# Altium PCB NIXIEClock_PCB_V3.2.PcbDoc (part 1 of 3) (continued)
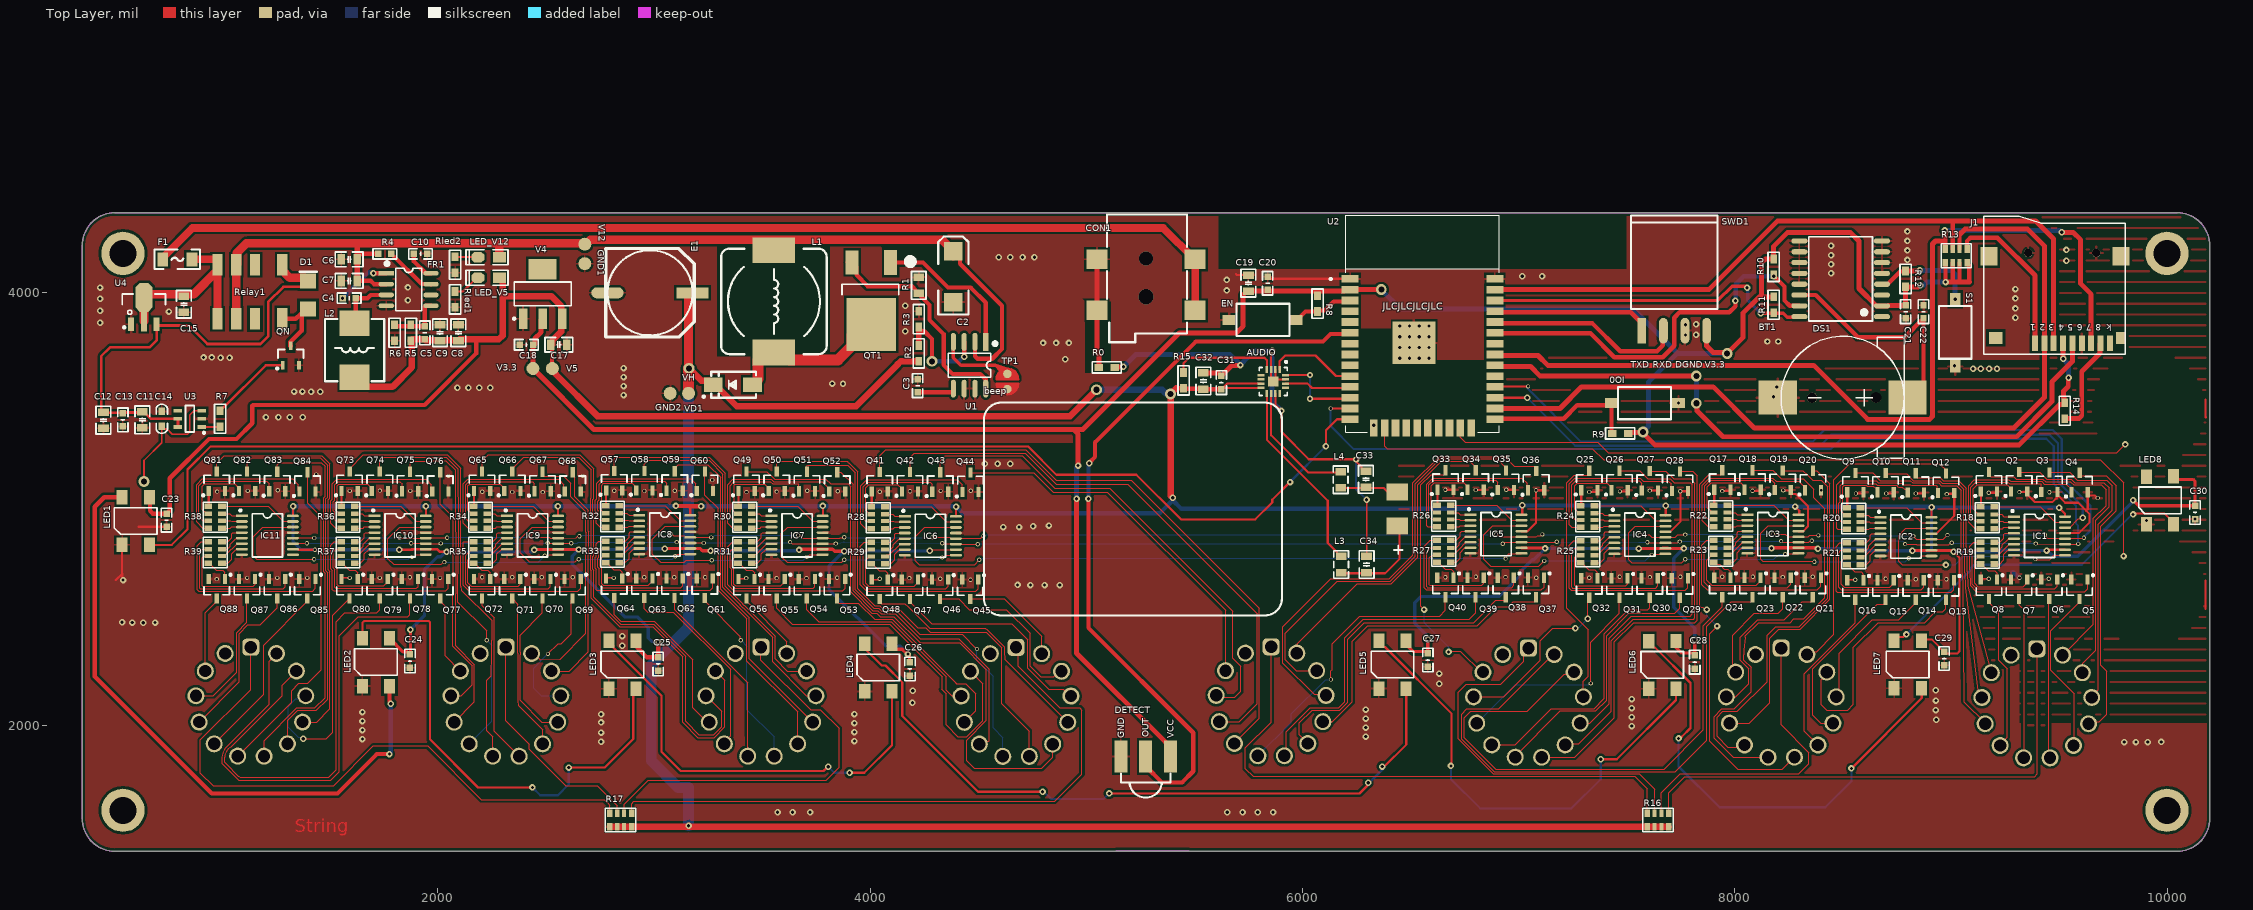
[diagram p0: Top Layer view]
## Footprints (in the part's own frame and the unit in brackets; to place one, negate y for a bottom-side part, rotate by r counter-clockwise, add the part's x,y. Pads: shape width x height; smd on the part's side, far side on the other; paste and mask are expansions set on the pad) (continued)
  rect 60x50 smd: 1(-50,0)
  oct 60x50 smd: 2(50,0)
  silkscreen extent -90,-35 105,35, body extent -39,-25 39,25, height 32
"LED 0805G" [mil] "绿色0805LED"
  rect 60x50 smd: 1(-50,0)
  oct 60x50 smd: 2(50,0)
  silkscreen extent -90,-35 105,35, body extent -39,-25 39,25, height 32
"Micro SD" [mm]
  round 1 hole 1 unplated: 0(-4,0) 0(4,0)
  rect 0.7x1.8 smd: 1(3.2,10.627) 2(2.1,10.627) 3(1,10.627) 4(-0.1,10.627) 5(-1.2,10.627) 6(-2.3,10.627) 7(-3.4,10.627) 8(-4.5,10.627) 9(-5.6,10.627)
  rect 1.2x1.4 smd: 10(-6.9,10)
  rect 2.032x2.2 smd: 10(-6.9,0.4) 10(8.6,0.4)
  rect 1.6x1.4 smd: 10(7.8,10)
  silkscreen extent -7.4,-4.28 9.2,11.94, body extent -7.05,-4 8.95,11.25, height 2
QFN16_3X3 [mm] "QFN, 16-Leads, Body 3.00x3.00mm, Pitch 0.50mm, Thermal Pad 1.23x1.23mm, IPC Medium Density"
  rect 0.3x0.8 smd: 1(-0.75,-1.425) 2(-0.25,-1.425) 3(0.25,-1.425) 4(0.75,-1.425) 9(0.75,1.425) 10(0.25,1.425) 11(-0.25,1.425) 12(-0.75,1.425)
  rect 0.8x0.3 smd: 5(1.425,-0.75) 6(1.425,-0.25) 7(1.425,0.25) 8(1.425,0.75) 13(-1.425,0.75) 14(-1.425,0.25) 15(-1.425,-0.25) 16(-1.425,-0.75)
  rect 1.23x1.23 smd: 17(0,0)
  silkscreen extent -1.65,-2.42 1.65,1.65, body extent -1.5,-1.5 1.5,1.5, height 0.8
"R 0603" [mil]
  rect 40x31.5 smd: 1(-36.5,0) 2(36.5,0)
  silkscreen extent -68,-26 68,26, body extent -31,-16 32,16, height 16
"R 0603_L" [mil] "1/10W贴片电阻"
  rect 30x30 smd: 1(-30.59,0) 2(30.59,0)
  silkscreen extent -55,-24 55,24, body extent -31,-16 31,16, height 16
"R 0805_L" [mil] "1/8W贴片电阻"
  rect 35x50 smd: 1(-37.4,0) 2(37.4,0)
  silkscreen extent -64,-34 64,34, body extent -39,-25 39,25, height 20
RCA-8P4R-0603 [mm] "3.2mm*1.6mm*0.6mm(长*宽*厚)"
  rect 0.65x0.9 smd: 1(-1.28,-0.8) 4(1.28,-0.8) 5(1.28,0.8) 8(-1.28,0.8)
  rect 0.5x0.9 smd: 2(-0.4,-0.8) 3(0.4,-0.8) 6(0.4,0.8) 7(-0.4,0.8)
  silkscreen extent -1.78,-1.4 1.78,1.4, body extent -1.6,-0.8 1.6,0.8, height 0.6
SMA [mm]
  rect 2.2x1.75 smd: 1(-2.3,0) 2(2.3,0)
  silkscreen extent -2.7,-1.52 3.56,1.52, body extent -2.52,-1.3 2.57,1.3, height 2.15
SOP8_M [mm]
  rect 2.1x0.6 smd: 1(-2.75,1.905)
  oval 2.1x0.6 smd: 2(-2.75,0.635) 3(-2.75,-0.635) 4(-2.75,-1.905) 5(2.75,-1.905) 6(2.75,-0.635) 7(2.75,0.635) 8(2.75,1.905)
  silkscreen extent -2.69,-2.5 1.4,3.15, body extent -3,-2.5 3,2.5, height 1.9
SOP8_N [mm]
  rect 1.8x0.55 smd: 1(-2.625,1.905)
  oval 1.8x0.55 smd: 2(-2.625,0.635) 3(-2.625,-0.635) 4(-2.625,-1.905) 5(2.625,-1.905) 6(2.625,-0.635) 7(2.625,0.635) 8(2.625,1.905)
  silkscreen extent -2.69,-2.5 1.52,3.2, body extent -3,-2.5 3,2.5, height 1.9
SOP16_75MM [mm]
  oval 1.9x0.6 smd: 1(-4.85,4.445) 2(-4.85,3.175) 3(-4.85,1.905) 4(-4.85,0.635) 5(-4.85,-0.635) 6(-4.85,-1.905) 7(-4.85,-3.175) 8(-4.85,-4.445) 9(4.85,-4.445) 10(4.85,-3.175) 11(4.85,-1.905) 12(4.85,-0.635) 13(4.85,0.635) 14(4.85,1.905) 15(4.85,3.175) 16(4.85,4.445)
  silkscreen extent -3.75,-4.95 3.75,4.95
SOT23-3L [mm] "3x1.3x1mm(长宽高)"
  rect 0.45x1 smd: 1(-0.95,-1.143) 2(0.95,-1.143) 3(0,1.125)
  silkscreen extent -1.72,-1.65 1.5,0.7, body extent -1.5,-1.2 1.5,1.2, height 1.05
SOT23-3N [mm]
  rect 1.2x0.5 smd: 1(0.635,-0.696) 2(0.635,1.204) 3(-1.651,0.254)
  silkscreen extent -1.21,-1.47 1.27,1.75, body extent -1.71,-1.25 0.69,1.75, height 1.05
SOT23-6L [mm]
  rect 0.45x1 smd: 1(-0.95,-1.397) 2(0,-1.397) 3(0.95,-1.397) 4(0.95,1.397) 5(0,1.397) 6(-0.95,1.397)
  silkscreen extent -1.77,-1.78 1.55,0.51, body extent -1.5,-1.4 1.5,1.4, height 1.15
SOT89_M [mm] "4.6x4.3x1.6mm(长宽高)"
  rect 0.7x1.6 smd: 1(-1.5,-2.054) 3(1.5,-2.054)
  rect 0.7x2.4 smd: 2(0,-1.676)
  oct 2x3.4 smd: 2(0.025,1.118)
  silkscreen extent -2.54,-2.52 2.54,1.52, body extent -2.3,-2.4 2.3,1.9, height 1.6
SOT223_N [mm] "SOT223, 4-Leads, Body 6.5x3.5mm, Pitch 2.3mm, Lead Span 7mm, IPC Medium Density"
  rect 2.4x1 smd: 1(-2.9,2.3) 2(-2.9,0) 3(-2.9,-2.3)
  rect 2.4x3.3 smd: 4(2.9,0)
  silkscreen extent -3.02,-3.35 1.4,3.47, body extent -1.85,-3.35 1.85,3.35, height 1.7
TEST [mil]
  round 60 smd: 1(0,0)
TO252 [mil]
  rect 60x115 smd: 1(-89.55,-119.77)
  rect 230x245 smd: 2(0,165.35)
  rect 60x110 smd: 3(88.45,-120.77)
  silkscreen extent -196,-140 135,28, body extent -127,-120 129,251, height 91
TOUCHPAD [mm]
  round 12.3 smd mask+0.102: P(0,0)
TSSOP16_N [mm] "5*6.4*1mm（长宽高）"
  rect 1.4x0.3 smd: 1(-3.004,2.275)
  oval 1.4x0.3 smd: 2(-3.004,1.625) 3(-3.004,0.975) 4(-3.004,0.325) 5(-3.004,-0.325) 6(-3.004,-0.975) 7(-3.004,-1.625) 8(-3.004,-2.275) 9(2.996,-2.275) 10(2.996,-1.625) 11(2.996,-0.975) 12(2.996,-0.325) 13(2.996,0.325) 14(2.996,0.975) 15(2.996,1.625) 16(2.996,2.275)
  silkscreen extent -3.3,-2.54 1.78,3.05, body extent -3.2,-2.5 3.2,2.5, height 1.03
WS2812B-5050 [mm]
  rect 1.7x1.3 smd: 1(-0.025,0) 2(0,-3.2) 3(5.6,-3.2) 4(5.6,0)
  silkscreen extent 1.22,-4.11 4.34,0.89
红外热释电 [mil] "一体红外接收头"
  rect 60x150 smd: 1(115,45) 2(0,45) 3(-115,45)
  silkscreen extent -115,-145 115,-35
贴片按键（红头） [mm]
  rect 1.5x1.2 smd: 1(-0.762,1.905) 2(7.112,1.905)
  silkscreen extent 0,0 6.22,3.81
铜柱_六芒星 [mil]
  round 200 hole 125: ""(0,0)
  body extent -106,-93 106,93, height 435

## Part data
BT1: library part BATTERY
C2: library part C-CD, "贴片钽电容", BOM名称=贴片钽电容, 学习资源=www.ooocke.com, 版权归属=源创客
C3 C4 C5 C6 C7 C8 C9 C10 C11 C12 C13 C14 C15 C17 C18 C19 C20 C21 C22 C23 C24 C25 C26 C27 C28 C29 C30 C31 C32 C33 C34: library part C, "无极性贴片电容", BOM名称=无极性贴片电容, 学习资源=www.ooocke.com, 版权归属=源创客
  C3 C4 C5 C6 C7 C8 C9 C10 C11 C12 C13 C15 C17 C18 C19 C20 C21 C22 C23 C24 C25 C26 C27 C28 C29 C30 C31 C32 C33 C34: 材质=X7R
CON1: library part P-DC, "低压电源接口", BOM名称=DC电源接口, 学习资源=www.ooocke.com, 版权归属=源创客
D1: library part "Diode 1N4007", "1 Amp General Purpose Rectifier", Code_JEDEC=DO-204-AL, ComponentLink1Description="Manufacturer Link", ComponentLink1URL=http://www.fairchildsemi.com/, ComponentLink2Description=Datasheet, ComponentLink2URL=http://www.fairchildsemi.com/ds/1N%2F1N4001.pdf, DatasheetVersion=1998, LatestRevisionDate=17-Jul-2002, LatestRevisionNote="Re-released for DXP Platform.", PackageDescription="Diode, Axial; Body 5.2 x 2.7 mm (LxDia. max), Lead Dia. 0.86 mm (max)", PackageReference=DO-41, PackageVersion=Aug-1999, Published=8-Jun-2000, Publisher="Altium Limited"
DETECT: "线性霍尔传感器", BOM名称=线性霍尔传感器, 学习资源=www.ooocke.com, 版权归属=源创客
E1: library part C-CM, "贴片电解电容", BOM名称=贴片电解电容, 学习资源=www.ooocke.com, 版权归属=源创客
EN IO0 S1: "Switch", LatestRevisionDate=17-Jul-2002, LatestRevisionNote="Re-released for DXP Platform.", PackageReference=SPST-2, Published=24-Mar-1999, Publisher="Altium Limited"
F1: library part FU, "贴片保险丝", BOM名称=贴片保险丝, 学习资源=www.ooocke.com, 版权归属=源创客
FR1: library part FR9833
IC1 IC2 IC3 IC4 IC5 IC6 IC7 IC8 IC9 IC10 IC11: "8位移位寄存器", BOM名称=8位移位寄存器, 学习资源=www.ooocke.com, 版权归属=源创客
J1: "Micro SD卡", BOM名称="Micro SD卡", 学习资源=www.ooocke.com, 版权归属=源创客
L1 L2: library part L-CDRH, "功率屏蔽电感", BOM名称=功率屏蔽电感, 学习资源=www.ooocke.com, 版权归属=源创客
L3 L4: library part L, "小功率贴片电感", BOM名称=小功率贴片电感, 学习资源=www.ooocke.com, 版权归属=源创客
LED_V5 LED_V12: library part LED-SMD, "贴片LED", BOM名称=贴片LED, 学习资源=www.ooocke.com, 版权归属=源创客
Q1 Q2 Q3 Q4 Q5 Q6 Q7 Q8 Q9 Q10 Q11 Q12 Q13 Q14 Q15 Q16 Q17 Q18 Q19 Q20 Q21 Q22 Q23 Q24 Q25 Q26 Q27 Q28 Q29 Q30 Q31 Q32 Q33 Q34 Q35 Q36 Q37 Q38 Q39 Q40 Q41 Q42 Q43 Q44 Q45 Q46 Q47 Q48 Q49 Q50 Q51 Q52 Q53 Q54 Q55 Q56 Q57 Q58 Q59 Q60 Q61 Q62 Q63 Q64 Q65 Q66 Q67 Q68 Q69 Q70 Q71 Q72 Q73 Q74 Q75 Q76 Q77 Q78 Q79 Q80 Q81 Q82 Q83 Q84 Q85 Q86 Q87 Q88: library part 8050-SMD, "高频放大-NPN型", BOM名称=高频放大-NPN型, 学习资源=www.ooocke.com, 属性="40V 1.5A 1W 100MHZ", 版权归属=源创客
QN: library part NPN, "NPN Bipolar Transistor", Code_JEDEC=TO-226-AA, LatestRevisionDate=17-Jul-2002, LatestRevisionNote="Re-released for DXP Platform.", PackageReference=TO-226, Published=8-Jun-2000, Publisher="Altium Limited"
QT1: library part IRF3710, "N沟场效应管", BOM名称=N沟场效应管, 学习资源=www.ooocke.com, 版权归属=源创客
R0 R1 R2 R3 R4 R5 R6 R8 R9 R12 R14 R15 Rled1 Rled2: library part R, "贴片电阻", BOM名称=贴片电阻, 学习资源=www.ooocke.com, 版权归属=源创客
R7 R10 R11: "Semiconductor Resistor", LatestRevisionDate=17-Jul-2002, LatestRevisionNote="Re-released for DXP Platform.", PackageReference=AXIAL-0.5, Published=8-Jun-2000, Publisher="Altium Limited"
R13 R16 R17 R18 R19 R20 R21 R22 R23 R24 R25 R26 R27 R28 R29 R30 R31 R32 R33 R34 R35 R36 R37 R38 R39: library part R-8P4R, "贴片网络排阻", BOM名称=贴片网络排阻, 学习资源=www.ooocke.com, 版权归属=源创客
Relay1: library part Relay
SWD1: "Header, 4-Pin", LatestRevisionDate=17-Jul-2002, LatestRevisionNote="Re-released for DXP Platform.", Publisher="Altium Limited"
TP1: library part DEBUG, "调试断点焊盘", BOM名称=调试断点焊盘, 学习资源=www.ooocke.com, 版权归属=源创客
U2: "IC: SoC; GPIO, I2C, I2S, IR, SD, SDIO, SPI, UART; 2.7Ã·3.6VDC; 20dBm", Package="Module Espressif Systems", Availability=Unavailable, MF="Espressif Systems", MP=ESP32-WROOM-32D, Price=None, SnapEDA_Link=https://www.snapeda.com/parts/ESP32-WROOM-32D/Espressif%20Systems/view-part/?ref=snap
U4: library part HT71xx, "LDO线性稳压芯片", BOM名称=LDO线性稳压芯片, 学习资源=www.ooocke.com, 版权归属=源创客
V4: library part AMS1117, "三端稳压芯片", BOM名称=稳压芯片, 学习资源=www.ooocke.com, 版权归属=源创客
VD1: library part SS14, "肖特基二极管", BOM名称=肖特基二极管, 学习资源=www.ooocke.com, 属性=40V/1A, 版权归属=源创客

## Via types
v1: diameter 30, hole 15, Top Layer to Bottom Layer, tented both sides, 238 vias
v2: diameter 19.68, hole 11.81, Top Layer to Bottom Layer, tented both sides, 157 vias
v3: diameter 50, hole 28, Top Layer to Bottom Layer, tented both sides, 10 vias
v4: diameter 30, hole 15, Top Layer to Bottom Layer, 3 vias
v5: diameter 70.87, hole 70.87, Top Layer to Bottom Layer, tented both sides, 1 vias
v6: diameter 62.99, hole 62.99, Top Layer to Bottom Layer, tented both sides, 1 vias

## Nets (pads, with @x,y where several pads share a name; then routed paths per layer and width w, separated by ;. In a path a pad name is that pad's centre, name@x,y a point inside that pad or via, vN(x,y) a via of type N, cw(c..) or ccw(c..) an arc to the next point about the centre after c; other vN are vias at no path point)
BCLK: AUDIO.16 U2.12 | length 411.9
  Top Layer w10: AUDIO.16@5921.1,3619.53 v1@6034.53,3619.53 ; v1(6035,3510) 6215.71,3510 U2.12@6220.71,3515
  Bottom Layer w10: v1@6034.53,3619.53 v1(6035,3620) v1(6035,3510)
Boost_OnOff: TP1.2 U1.4 | length 502.7
  Top Layer w15: U1.4@4385,3773.27 4385,3700 4420,3665 4580,3665 ; 4605,3640 4580,3665 ; 4614.43,3645.57 4580,3665 ; 4670.35,3635.36 4641.5,3644.82 4627.46,3649.43 ; 4580,3665 4627.46,3649.43 ; 4580,3665 4627.46,3649.43
CS: J1.2 R13.6 U2.26 | length 3924.6
  Top Layer w20: R13.6@9040,4202.99 9040,4270
  Top Layer w23: U2.26@6890,3465 7191.32,3465 7291.32,3565 7900.53,3565 8090.73,3374.8 9291.48,3374.8 9432.32,3515.64 J1.2@9432.32,3766.61 9432.32,4217.68 9355,4295 9065,4295 9040,4270
DGND: BT1.2 C2.2 C3.2 C6.1 C7.1 C8.1 C9.1 C10.1 C11.1 C12.1 C13.2 C14.1 C15.2 C17.1 C18.1 C19.2 C20.2 C21.2 C22.2 C23.1 C24.1 C25.1 C26.1 C27.1 C28.1 C29.1 C30.1 CON1.2 CON1.3 DETECT.3 DS1.5 DS1.6 DS1.7 DS1.8 DS1.9 DS1.10 DS1.11 DS1.12 DS1.13 E1.2 EN.2 FR1.4 GND1.1 GND2.1 IC1.8 IC1.13 IC2.8 IC2.13 IC3.8 IC3.13 IC4.8 IC4.13 IC5.8 IC5.13 IC6.8 IC6.13 IC7.8 IC7.13 IC8.8 IC8.13 IC9.8 IC9.13 IC10.8 IC10.13 IC11.8 IC11.13 IO0.2 J1.0 J1.6 LED1.3 LED2.3 LED3.3 LED4.3 LED5.3 LED6.3 LED7.3 LED8.3 Q1.2 Q2.2 Q3.2 Q4.2 Q5.2 Q6.2 Q7.2 Q8.2 Q9.2 Q10.2 Q11.2 Q12.2 Q13.2 Q14.2 Q15.2 Q16.2 Q17.2 Q18.2 Q19.2 Q20.2 Q21.2 Q22.2 Q23.2 Q24.2 Q25.2 Q26.2 Q27.2 Q28.2 Q29.2 Q30.2 Q31.2 Q32.2 Q33.2 Q34.2 Q35.2 Q36.2 Q37.2 Q38.2 Q39.2 Q40.2 Q41.2 Q42.2 Q43.2 Q44.2 Q45.2 Q46.2 Q47.2 Q48.2 Q49.2 Q50.2 Q51.2 Q52.2 Q53.2 Q54.2 Q55.2 Q56.2 Q57.2 Q58.2 Q59.2 Q60.2 Q61.2 Q62.2 Q63.2 Q64.2 Q65.2 Q66.2 Q67.2 Q68.2 Q69.2 Q70.2 Q71.2 Q72.2 Q73.2 Q74.2 Q75.2 Q76.2 Q77.2 Q78.2 Q79.2 Q80.2 Q81.2 Q82.2 Q83.2 Q84.2 Q85.2 Q86.2 Q87.2 Q88.2 QN.2 R0.1 R1.1 R3.1 R6.1 Rled1.1 Rled2.1 S1.2 SWD1.3 TP1.1 U1.6 U1.7 U2.1 U2.15 U2.38 U2.39 U3.2 U4.1 V4.1 | length 4313.4
  Top Layer w6: Q80.2@1554.48,2676.05 1559.48,2681.05 v2(1592.04,2681.05) ; Q64.2@2778.59,2678.98 2780.66,2681.05 v2(2814.04,2681.05) ; Q56.2@3390.69,2676.05 3391.51,2676.87 v2@3426.92,2676.87 ; Q48.2@4007.11,2673.92 v2@4044.33,2673.94 ; Q16.2@8520.61,2670 8522.82,2672.22 v2(8557.82,2672.22) ; Q8.2@9138.42,2673.42 9142.08,2677.08 v2(9174.57,2677.08)
  Top Layer w10: 509.24,2671.05 539.48,2701.29 ; LED1.3@539.48,2841.91 LED1.3@539.48,2834.03 539.48,2701.29 ; v1(543.66,2671.05) 539.83,2674.87 539.83,2700.94 539.48,2701.29 ; 615.2,2917.62 C23.1@745,2917.62 ; 5691.86,4087.72 5697.18,4082.4 C19.2@5750,4082.4 ; C20.2@5835,4077.4 5847.4,4065 U2.1@6220.71,4065 ; v2(6661.68,3089.39) 6698.82,3089.39 Q33.2@6699.09,3089.12 ; v2(6801.6,3088.01) 6837.82,3088.01 Q34.2@6838.93,3089.12 ; v2(6942.9,3089.39) 6977.13,3089.39 Q35.2@6978.77,3087.75 ; IC5.13@7013.69,2896.92 7041.25,2896.92 7080.61,2936.27 v2(7080.61,3086.9) 7118.08,3086.9 Q36.2@7118.62,3086.37 ; v2(7327.27,3078.86) 7359.83,3078.86 7364.67,3083.7 Q25.2@7364.67,3086.61 ; v2(7468.88,3081.61) 7499.67,3081.61 7504.51,3086.45 Q26.2@7504.51,3086.61 ; v2(7606.34,3085.23) Q27.2@7644.35,3085.23 ; IC4.13@7679.27,2894.4 7700.93,2894.4 7748.33,2941.81 v2(7748.33,3082.29) 7782.63,3082.29 Q28.2@7784.2,3083.86 ; v2(7942.53,3083.22) 7975.08,3083.22 7979.92,3088.06 Q17.2@7979.92,3089.37 ; v2(8081.99,3083.95) 8114.92,3083.95 8119.76,3088.8 Q18.2@8119.76,3089.37 ; v2(8224.58,3085.88) 8257.5,3085.88 Q19.2@8259.61,3087.99 8259.61,3074.21 8264.45,3069.37 8282.56,3069.37 8339,3012.93 8339,2919.98 8316.18,2897.16 IC3.13@8294.53,2897.16 ; v2(8560.43,3071.71) 8590.73,3071.71 8595.57,3076.55 Q9.2@8595.57,3077.29 ; v2(8700.83,3071.71) 8730.57,3071.71 8735.41,3076.55 Q10.2@8735.41,3077.29 ; v2(8837.35,3071.71) 8871.06,3071.71 Q11.2@8875.26,3075.91 ; IC2.13@8910.17,2885.08 8931.83,2885.08 9015.11,2968.35 Q12.2@9015.1,3074.53 ; v2(8980.46,3069.16) 9010.26,3069.16 9015.1,3074 Q12.2@9015.1,3074.53 ; v2(9175.63,3075.18) 9208.53,3075.18 9213.38,3080.02 Q1.2@9213.38,3080.71 ; v2(9317.13,3078.6) 9351.11,3078.6 Q2.2@9353.22,3080.71 9353.22,3066.93 9387.02,3033.13 9470.48,3033.13 9493.06,3055.71 Q3.2@9493.06,3065.55 ; Q6.2@9417.64,2673.42 Q6.2@9421.3,2677.08 ; Q3.2@9493.06,3079.33 Q3.2@9493.06,3065.55 ; IC1.13@9527.98,2888.5 9591.24,2888.5 9641.63,2938.89 9641.63,2976.32 9626,2991.94 ; Q4.2@9632.91,3067.61 9637.75,3062.77 9665.04,3062.77 9676.91,3050.91 v2(9679.53,3050.91) ; Q4.2@9632.91,3078.13 9632.91,2998.85 9626,2991.94 ; LED8.3@9904.44,2929.11 9904.44,2921.24 LED8.3@9925.03,2900.65 ; 10178.21,2536.9 10178.21,2669.55 ; 10178.21,3507.31 10178.21,3425.54 10179.05,3424.7 ; Q3.2@9493.06,3065.55 9529.25,3029.37 9588.58,3029.37 9626,2991.94
  Top Layer w23: CON1.3@5049.88,4155 CON1.2@5049.88,3918.78 5049.88,3724.01 5058.02,3715.88 R0.1@5058.02,3655.19
  Bottom Layer w6: 10178.21,2669.55 10178.21,2588.38 10178.9,2587.69 ; 10178.21,3425.54 10179.05,3426.38 10179.05,3503.09
  Bottom Layer w20: 9283.03,2707.04 9289.73,2707.04 9314.69,2682.08 v2(9317.4,2682.08)
  other v1: 3571.92,1596.86 3641.32,1596.86 3722.4,1596.86 5652.53,1596.86 5723,1596.86 5793.46,1596.86 5863.93,1596.86 9801.64,1921.95 9855.9,1921.95 9910.41,1921.95 9972.85,1922.22 2755,1922.91 3927.35,1926.41 1651.14,1935.83 6292.4,1947.58 2755,1965.79 3927.35,1968.02 1651.14,1977.43 6292.4,1989.18 7522.92,1996.14 3927.35,2009.62 2755,2012.74 1651.14,2019.04 8931.83,2025.56 6292.4,2030.78 7522.92,2037.74 2755,2051.07 3927.35,2051.22 1651.14,2060.64 8929.61,2070 6292.4,2072.39 7522.92,2079.34 4195.77,2103.93 8930.45,2113.69 7522.92,2120.95 4196.77,2159.2 8929.61,2161.98 2853.55,2368 2853.55,2412.36 636.94,2473.55 585.98,2474.92 691.93,2474.92 539.02,2475.77 4741.74,2648.41 4807.08,2648.41 4877.33,2648.41 4681.98,2648.92 4615.31,2916.71 4688.77,2916.71 4754,2920.49 4826.97,2923.23 9904.44,2946.85 10129.37,2953.46 4530.97,3209.98 4589.36,3209.98 4647.74,3209.98 6330.35,3387.94 1204.84,3424.26 1315.36,3424.26 1374.99,3424.26 1262.55,3424.52 7740,3490 8179.19,3519.69 2859.21,3527.19 1413.9,3542.22 1455.57,3542.22 1335.14,3543.12 1373.57,3543.38 2090.96,3561.56 2141.5,3561.56 2192.05,3561.56 2242.6,3561.56 8194.26,3565 2859.21,3568.79 3824.74,3580.27 3874.49,3580 2859.21,3610.4 9102.76,3649 9138.57,3649 9176.67,3649 9213.22,3649 2859.21,3652 9016.51,3662.64 4902.77,3693.02 6449.64,3697.78 6494.85,3697.78 6540.05,3697.78 6585.26,3697.78 994.86,3700.22 1036.54,3700.22 916.1,3701.12 954.53,3701.38 6449.64,3747.28 6494.85,3747.28 6540.05,3747.28 6585.26,3747.28 4800,3768.34 4860.41,3768.34 4920,3768.34 8151.17,3775 8201.19,3775 6449.64,3796.78 6494.85,3796.78 6540.05,3796.78 6585.26,3796.78 7772.35,3805.61 7820.87,3805.87 4162.32,3822.27 6449.64,3846.28 6494.85,3846.28 6540.05,3846.28 6585.26,3846.28 7771.71,3852.89 7820.87,3854.68 437.32,3861.43 9298.26,3884.41 756,3913.5 437.32,3917.14 9298.26,3928.19 4162.32,3940.27 1861.89,3966.35 437.32,3972.87 9298.26,3974.28 5650,4011 9298.26,4017.76 437.32,4024.52 1861.89,4025.34 5650,4059.9 7108.72,4076.42 7016.59,4076.76 8445.36,4090.27 8445.36,4131.91 9534.3,4148.35 8799,4152.08 4595.36,4164.67 4648.28,4165.27 4705.36,4164.67 4760.36,4164.67 8445.36,4173.81 8799,4196.04 9534.3,4198.35 8445.36,4217.76 8799,4240 8799,4283.97
  other v2: 4464.46,2672.43 8837.17,2674.97 8979.23,2674.97 977.5,2676.05 4044.14,2677.43 4324.54,2677.43 8697.63,2677.22 9453.17,2677.08 3426.73,2680.35 3567.16,2680.35 3705.67,2680.35 4181.84,2680.35 1117.5,2681.05 1257.34,2681.05 1396.34,2681.05 1731.88,2681.05 2010,2681.05 3847,2682 7081.21,2682.08 7327.11,2682.08 1871.11,2683.98 2204.83,2683.98 2344.29,2683.98 2481.28,2683.98 2624.36,2683.98 2955.6,2683.98 3094.29,2683.98 3236.21,2683.98 6661.68,2684.33 6939.37,2685.1 7607.61,2685.1 8222.21,2685.1 6802.56,2686.84 7467.11,2686.84 7748.88,2687.08 7942.52,2687.08 8084.14,2687.08 8361.21,2686.84 9455.66,3077.29 3428.09,3078.44 2343.97,3078.86 2485.36,3078.6 2206,3079.88 4044.33,3079.82 979,3080.57 3567.26,3080.84 3849.64,3082.22 4184.51,3082.22 2955.99,3083.33 1120.41,3083.81 1593.06,3083.6 1872.12,3083.6 4326.04,3083.71 4465,3083.94 1732.41,3085.13 2815.99,3084.88 3096.38,3085.09 3709.55,3085.09 1259.1,3086.61 8399.45,3086.61 3270.02,3134.18 2049.34,3152.9 2670.36,3152.9 1437.02,3159.76
  other v4: 6632.72,2191.31 6632.72,2238.56
  other v5: 5276.26,3981.77
  other v6: 5276.26,4158.94
DIN: AUDIO.1 U2.10 | length 414.5
  Top Layer w10: AUDIO.1@5894.53,3646.1 5894.53,3684.53 5920,3710 6060.35,3710 6155.35,3615 U2.10@6220.71,3615
DS3221_SCL: DS1.16 R11.1 U2.36 | length 1529.5
  Top Layer w15: U2.36@6890,3965 7922.21,3965 7987.71,4030.5 8051.67,4030.5 v1@8056.67,4025.5 ; v1(8119.76,3906.06) 8177.56,3906.06 R11.1@8180,3908.5 8185.81,3908.5 8188.25,3906.06 8224.67,3906.06 8243.17,3887.56 8268.69,3887.56 8271.13,3890 DS1.16@8299.06,3890
  Bottom Layer w15: v1@8056.67,4025.5 8059.82,4022.35 8059.82,3966 8117.48,3908.34 v1@8116.53,3907.4
  other v1: 8057.17,4024.01
DS3221_SDA: DS1.15 R10.1 U2.33 | length 1852.1
  Top Layer w20: U2.33@6890,3815 6892.72,3812.72 7332.28,3812.72 7442.89,3702.11 7667.11,3702.11 7720,3755 7720,3885 7745,3910 7975,3910 8003.09,3938.09 v1(8003.09,3963.09) ; v1(8180,4076.5) R10.1@8180,4083.5 8180,4079.25 8195.75,4063.5 8230,4029.25 8230,3965 8254.67,3940.33 8298.72,3940.33 DS1.15@8299.06,3940
  Bottom Layer w20: v1(8003.09,3963.09) 8005,3965 8005,4040.02 8041.48,4076.5 v1(8180,4076.5)
HUMAN_DETECT: DETECT.2 U2.6 | length 3440.8
  Top Layer w20: v1(5010,3047.07) 5010,2450 5495,1965 5495,1786.72 5443.28,1735 5350,1735 5275,1810 DETECT.2@5275,1855 ; v1(5013.53,3211.79) 5013.53,3214.5 5040.2,3241.16 5040.2,3308.27 5506.93,3775 6095,3775 6130,3810 U2.6@6220.71,3810
  Bottom Layer w20: v1(5010,3047.07) 5010,3205.56 5013.53,3209.09 v1(5013.53,3211.79)
LED: LED1.4 U2.14 | length 6287.3
  Top Layer w10: LED1.4@665.47,2834.03 768.99,2834.03 841.88,2906.92 841.88,3182.94 948.94,3290 4730,3290 4861.46,3158.54 5231.35,3158.54 5437.85,2952.04 5782.04,2952.04 5860.49,3030.49 5860.49,3042.66 v1(5942.77,3124.94) ; v1@6108.55,3291.94 6108.55,3363.55 6160,3415 U2.14@6220.71,3415
  Bottom Layer w10: v1(5942.77,3124.94) v1(6108.55,3290.72) v1@6108.55,3291.94
LRCLK: AUDIO.14 U2.11 | length 310
  Top Layer w10: AUDIO.14@5921.1,3580.16 6024.03,3580.16 6044.19,3560 6215.71,3560 U2.11@6220.71,3565
MISO: J1.7 R13.8 U2.31 | length 4242.9
  Top Layer w23: U2.31@6890,3710 7090,3710 7135,3665 8365,3665 8615,3415 8901.53,3415 8915,3428.47 8915,4226.17 8928.47,4239.65 8973.86,4239.65 ; v1(8971.06,4288.94) 8971.06,4287.04 8973.86,4284.25 8973.86,4239.65 ; R13.8@8973.86,4202.99 8973.86,4239.65 ; v1(9513.11,4280) 9565,4280 9600,4245 9600,4042.2 9648.86,3993.34 J1.7@9648.86,3766.61
  Bottom Layer w23: v1@8975.97,4288.94 9502.27,4288.94 9511.21,4280 v1(9513.11,4280)
MOSI: J1.3 R13.7 U2.37 | length 3365.7
  Top Layer w20: R13.7@9008.5,4202.99 9008.5,4333.5
  Top Layer w23: U2.37@6890,4015 7880,4015 8198.5,4333.5 9008.5,4333.5 9391.5,4333.5 9475.63,4249.37 J1.3@9475.63,3766.61
NetAUDIO_4: AUDIO.4 R15.2 | length 486.6
  Top Layer w10: R15.2@5450,3631.5 5450,3675 5475,3700 5824.14,3700 5835.47,3688.67 AUDIO.4@5835.47,3646.1
NetAUDIO_9: AUDIO.9 L3.1 | length 899.8
  Top Layer w10: AUDIO.9@5835.47,3533.9 5835.47,3320.24 6117,3038.71 6117,2843.11 6159.25,2800.86 6159.25,2793.36 6171.75,2780.86 L3.1@6179.25,2780.86
NetAUDIO_10: AUDIO.10 L4.1 | length 585.7
  Top Layer w10: AUDIO.10@5855.16,3533.9 5855.16,3341.26 6027.18,3169.24 L4.1@6177,3169.24
Netbeep_1: beep.1 C34.1 L3.2 | length 455.7
  Top Layer w10: L3.2@6179.25,2706.05 6182.71,2702.6 6375,2702.6 6382.5,2702.6 6449.64,2769.73 6449.64,2909.9 beep.1@6438.37,2921.17
Netbeep_2: beep.2 C33.1 L4.2 | length 310.4
  Top Layer w10: L4.2@6177,3097.89 6213.46,3097.89 6213.76,3097.6 6325.36,3097.6 6376.15,3097.6 6400,3073.74 beep.2@6477.4,3073.74
NetBT1_1: BT1.1 C22.1 DS1.14 | length 1092.1
  Top Layer w20: DS1.14@8299.06,3990 8375,3990 8570,3795 8786.02,3795 C22.1@8873.19,3882.17 8873.19,3583.74 8804.45,3515 BT1.1@8799,3515
NetC3_1: C3.1 U1.5 | length 180.8
  Top Layer w20: C3.1@4220,3540 4383.33,3540 4385,3541.67 U1.5@4385,3556.73
NetC4_1: C4.1 FR1.3 L2.1 | length 264.6
  Top Layer w20: L2.1@1615,3860.35 1620.59,3865.94 C4.1@1620.59,3975.35 1675,3975.35 1690,3990.35 FR1.3@1761.65,3990.35
NetC4_2: C4.2 FR1.1 | length 253.5
  Top Layer w20: v1(1701.88,4091.18) 1760.83,4091.18 FR1.1@1761.65,4090.35
  Bottom Layer w20: v1(1559.41,3975.35) 1679.41,4095.35 1695,4095.35 v1(1701.88,4091.18)
NetC5_1: C5.1 FR1.5 R5.1 R6.2 | length 262.8
  Top Layer w20: R6.2@1800,3851.85 1800,3851.69 1805.75,3845.94 C5.1@1940,3845.94 1940,3936.17 1944.19,3940.35 FR1.5@1968.35,3940.35
NetC10_2: C10.2 FR1.8 | length 136.8
  Top Layer w20: C10.2@1889.41,4180.35 1889.41,4145.13 1944.19,4090.35 FR1.8@1968.35,4090.35
NetC14_2: C14.2 touch.P U3.3 | length 579.7
  Top Layer w8: v3(641,3127.96) 641,3224.21 723,3306.21 C14.2@723,3381 ; C14.2@723,3383.5 C14.2@723,3381 ; U3.3@908,3454.9 872.91,3454.9 853,3435 853,3357.18 841.88,3346.05 771.7,3346.05 747.75,3370 734,3370 C14.2@723,3381
NetCON1_1: CON1.1 F1.1 | length 5140.6
  Top Layer w20: CON1.1@5501.06,4155 CON1.1@5502.64,4155 CON1.1@5505,4155 ; CON1.1@5502.64,3918.78 CON1.1@5505,3918.78
  Top Layer w35: F1.1@727.5,4155 727.5,4162.5 865,4300 5356.06,4300 CON1.1@5501.06,4155 ; CON1.1@5505,3918.78 CON1.1@5505,4155
NetD1_1: D1.1 QN.3 Relay1.8 | length 310.3
  Top Layer w20: Relay1.8@1280,3880 1342.5,3880 D1.1@1364.95,3902.45 ; QN.3@1320,3754.29 1317.6,3754.29 1317.6,3772.6 1370,3825 1370,3897.4 1372.6,3900 1369.95,3897.45 1397.5,3925 D1.1@1400,3925
NetDS1_4: DS1.4 R12.1 S1.1 | length 489.6
  Top Layer w20: DS1.4@8680.94,4040 8706.53,4040 8765.39,4098.86 8788.65,4098.86 R12.1@8790.61,4100.82
  Top Layer w23: R12.1@8790.61,4100.82 8851.27,4100.82 8854.79,4104.35 v1(8856.69,4104.35)
  Bottom Layer w23: v1(8856.69,4104.35) 9002.18,4104.35 9020,4086.53 v1(9020,3970)
NetEN_1: EN.1 R8.1 U2.3 | length 285.9
  Top Layer w20: EN.1@5970,3875 5975.91,3875 6014.41,3913.5 R8.1@6070,3913.5 6074.84,3918.34 6103.34,3918.34 6145,3960 U2.3@6220.71,3960
NetFR1_7: FR1.7 R4.2 | length 240.7
  Top Layer w20: R4.2@1785.59,4180.35 1925.27,4040.67 1968.03,4040.67 FR1.7@1968.35,4040.35
NetIC1_9: IC1.9 IC2.14 | length 1092.9
  Top Layer w5: IC2.14@8910.17,2910.67 8791.98,2910.67 8758.24,2876.93 8758.24,2758.38 8775.18,2741.45 v1(8976.85,2741.45) ; v2(9390.97,2768.62) 9393.56,2766.03 9456.72,2766.03 9476.83,2786.14 IC1.9@9527.98,2786.14
  Bottom Layer w5: v1(8976.85,2741.45) 9019.29,2741.45 9059.8,2781.96 9377.63,2781.96 v2(9390.97,2768.62)
NetIC2_9: IC2.9 IC3.14 | length 1118.8
  Top Layer w5: IC3.14@8294.53,2922.75 8154.04,2922.75 8119.76,2888.47 8119.76,2767.84 8129.22,2758.38 8366.49,2758.38 v2@8370.8,2754.07 ; v2(8805.42,2772.28) 8854.32,2772.28 8864.75,2782.71 IC2.9@8910.17,2782.71
  Bottom Layer w5: v2(8368.64,2756.23) 8789.37,2756.23 v2(8805.42,2772.28)
NetIC3_9: IC3.9 IC4.14 | length 1115.1
  Top Layer w5: IC4.14@7679.27,2919.99 7538.91,2919.99 7510.17,2891.25 7510.17,2765.12 7523.8,2751.49 7755,2751.49 7770.55,2767.04 v2(7771.27,2767.04) ; v2(8234.01,2790.62) 8236.89,2793.49 8293.22,2793.49 IC3.9@8294.53,2794.8
  Bottom Layer w5: v2(7771.27,2767.04) 8181.42,2767.04 8205,2790.62 v2(8234.01,2790.62)
NetIC4_9: IC4.9 IC5.14 | length 1182.1
  Top Layer w5: IC5.14@7013.69,2922.51 6879.83,2922.51 6838.93,2881.61 6838.93,2767.41 6871.34,2735 7093.71,2735 v2(7118.62,2759.9) ; v2(7616.18,2787.64) 7636.02,2791.13 7637.04,2791.21 7678.44,2791.21 IC4.9@7679.27,2792.04
  Bottom Layer w5: v2(7118.62,2759.9) 7585.7,2759.9 7613.44,2787.64 v2(7616.18,2787.64)
NetIC5_9: IC5.9 IC6.14 | length 3153.6
  Top Layer w5: IC6.14@4396.68,2914.58 4252.4,2914.58 4209.25,2871.44 4209.25,2760.49 4226.56,2743.18 4483.48,2743.18 v2(4505.3,2765) ; v2(6939.54,2770.85) 6939.54,2777.61 6951.4,2789.47 6951.4,2789.73 6954.96,2793.3 7012.44,2793.3 IC5.9@7013.69,2794.55
  Bottom Layer w5: v2(4505.3,2765) 4510.08,2769.78 4519.22,2769.78 4520.73,2771.29 6939.1,2771.29 v2(6939.54,2770.85)
NetIC6_9: IC6.9 IC7.14 | length 1142.8
  Top Layer w5: IC7.14@3780.26,2916.71 3618.31,2916.71 3589.92,2888.32 3589.92,2779.66 3616.92,2752.67 3867.67,2752.67 v2(3880,2765) ; v2(4333.74,2776.2) 4340.51,2776.2 4350.94,2786.63 IC6.9@4396.68,2786.63
  Bottom Layer w5: v2(3880,2765) 4315.78,2765 4326.98,2776.2 v2(4333.74,2776.2)
NetIC7_9: IC7.9 IC8.14 | length 1085.4
  Top Layer w5: IC8.14@3168.16,2919.64 3052.99,2919.64 2993.01,2859.66 2993.01,2791.69 3030.93,2753.77 3140.83,2753.77 3150.05,2762.99 v2(3266.72,2762.99) ; v2(3706.56,2778.33) 3710.53,2778.33 3719.66,2787.46 3778.95,2787.46 IC7.9@3780.26,2788.76
  Bottom Layer w5: v2(3266.72,2762.99) 3691.22,2762.99 v2(3706.56,2778.33)
NetIC8_9: IC8.9 IC9.14 | length 1080.1
  Top Layer w5: IC9.14@2556.84,2916.71 2437.44,2916.71 2382.08,2861.35 2382.08,2798.02 2423.65,2756.45 2425.06,2755.04 2636.16,2755.04 2649.1,2767.98 v2(2651.7,2767.98) ; v2(3098,2781.26) 3101.97,2781.26 3111.1,2790.39 3166.85,2790.39 IC8.9@3168.16,2791.69
  Bottom Layer w5: v2(2651.7,2767.98) 3084.72,2767.98 v2(3098,2781.26)
NetIC9_9: IC9.9 IC10.14 | length 1105
  Top Layer w5: IC10.14@1944.05,2916.71 1824.21,2916.71 1769.29,2861.79 1769.29,2770.18 1795.53,2743.93 2016.89,2743.93 2027.61,2754.65 v2(2030.69,2754.65) ; v2(2494.37,2784.13) 2515.54,2787.45 2555.54,2787.45 IC9.9@2556.84,2788.76
  Bottom Layer w5: v2(2030.69,2754.65) 2464.23,2754.65 2493.71,2784.13 v2(2494.37,2784.13)
NetIC10_9: IC10.9 IC11.14 | length 1105.2
  Top Layer w5: IC11.14@1329.66,2916.71 1190.33,2916.71 1145.06,2871.44 1145.06,2784.73 1162.54,2767.25 v2(1427.5,2767.25) ; v2(1880.95,2778.33) 1883.31,2780.68 1893.12,2780.68 1901.2,2788.76 IC10.9@1944.05,2788.76
  Bottom Layer w5: v2(1427.5,2767.25) 1863.11,2767.25 1874.19,2778.33 v2(1880.95,2778.33)
NetIO0_1: IO0.1 R9.1 U2.25 | length 698.9
  Top Layer w20: U2.25@6890,3415 6892.73,3417.73 7208.72,3417.73 7271.65,3480.66 7425.71,3480.66 7430,3476.38 7430,3350 R9.1@7433.5,3350
NetJ1_1: J1.1 R13.5 | length 743.8
  Top Layer w20: R13.5@9074.65,4202.99 9074.65,4239.65 9090,4255 9215,4255 9216.72,4253.28
  Top Layer w23: 9216.72,4253.28 9389.02,4080.98 J1.1@9389.02,3766.61
NetJ1_8: J1.8 R14.1 | length 455.1
  Top Layer w23: R14.1@9526.68,3418.26 9591.88,3418.26 9605.35,3431.73 9605.35,3636.24 9689.89,3720.77 9689.89,3764.33 J1.8@9692.17,3766.61
NetL1_2: L1.2 QT1.2 VD1.1 | length 693.5
  Top Layer w50: VD1.1@3455.55,3575 3464.41,3575 3473.86,3584.45 3473.86,3593.31 3481.57,3601.02 3481.57,3690.08 3515.63,3724.13 L1.2@3555,3724.13 ; L1.2@3600,3718.51 3628.43,3690.08 3851.07,3690.08 3915,3754.01 3915,3805 QT1.2@3965,3855
NetLED1_2: LED1.2 LED2.4 | length 2920
  Top Layer w20: LED1.2@539.48,3054.51 456.71,3054.51 412.86,3010.66 412.86,2224.92 953.88,1683.9 1535.6,1683.9 1718.07,1866.37 v1(1776.18,1866.37) ; LED2.4@1776.87,2187.96 1776.43,2187.52 1776.43,2107.81 1782,2102.24 v1(1782,2099.54)
  Bottom Layer w20: v1(1776.18,1866.37) 1776.18,1869.08 1782,1874.9 v1(1782,2099.54)